# Altium PCB Annotated_PCB.PcbDoc (part 4 of 4)
Units mil, origin at the board's own origin, x right, y up, seen from the top; angles counter-clockwise.
Board outline 5551.18 x 866.13 mil, 4 copper layers (Top Layer, Mid-Layer 1, Mid-Layer 2, Bottom Layer); 219 components, 0 nets, 672 pads, 868 vias.
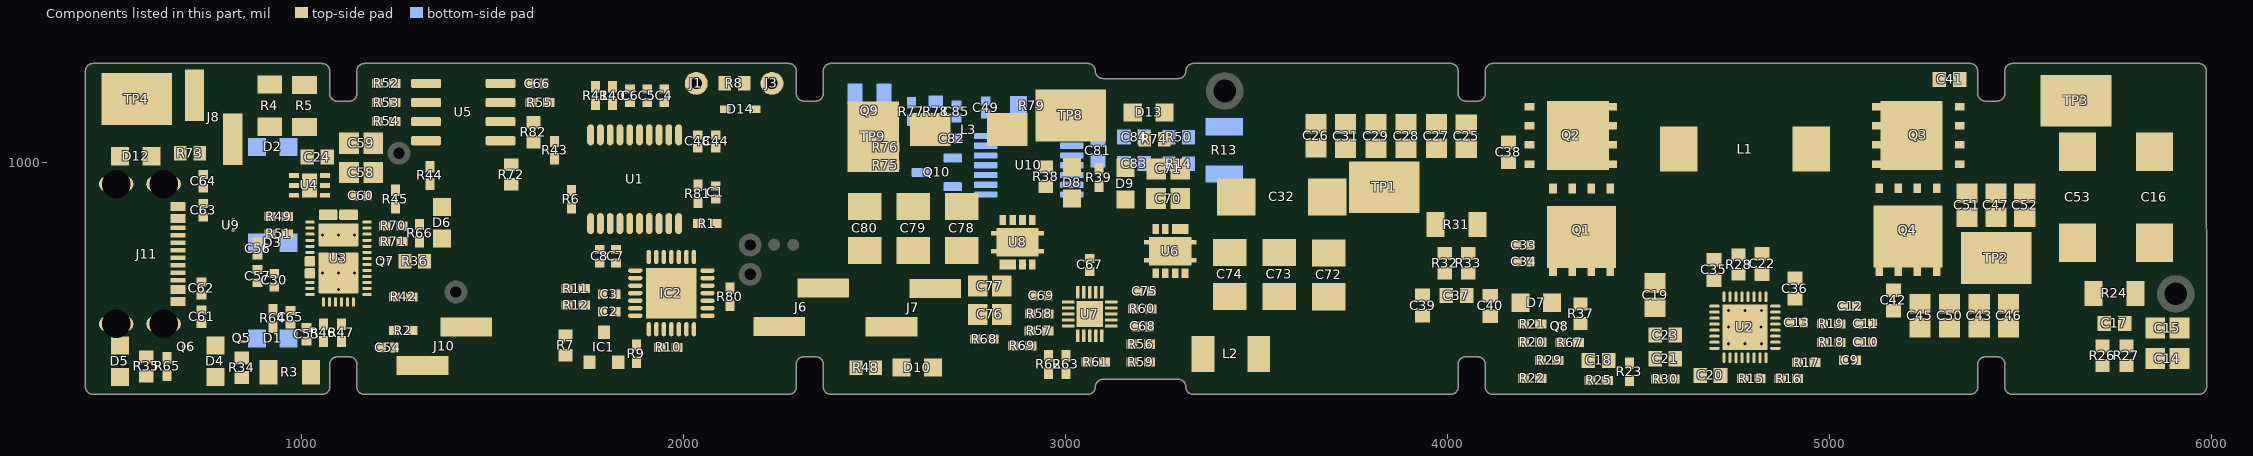
[diagram p6: the components of this part, seen from the top]

## Keep-outs (continued)
Keep-Out Layer:
  lines w19.68: 435.42,413.71 ccw(c455.11,413.71) 455.11,394.02 1055.11,394.02 ccw(c1055.11,413.71) 1074.8,413.71 1074.79,472.76 cw(c1094.48,472.76) 1094.48,492.45 1125.97,492.45 cw(c1125.97,472.76) 1145.66,472.76 ; 435.46,413.75 435.46,1240.43 cw(c455.11,1240.43) 455.11,1260.08 1055.11,1260.08 ; 1055.11,1259.83 cw(c1055.11,1240.15) 1074.79,1240.15 1074.79,1181.46 ; 1074.79,1181.09 ccw(c1094.48,1181.09) 1094.48,1161.41 1125.97,1161.41 ccw(c1125.97,1181.09) 1145.66,1181.09 1145.66,1240.15 cw(c1165.34,1240.15) 1165.34,1259.83 ; 1145.66,472.39 1145.66,413.71 ccw(c1165.34,413.71) 1165.34,394.02 2276.07,394.02 ccw(c2276.07,413.71) 2295.76,413.71 2295.75,472.76 cw(c2315.44,472.76) 2315.44,492.45 2346.94,492.45 cw(c2346.93,472.76) 2366.62,472.76 2366.62,413.71 ccw(c2386.3,413.71) 2386.3,394.02 3058.75,394.02 ; 1165.34,1260.12 2276.07,1260.12 cw(c2276.07,1240.44) 2295.76,1240.44 2295.75,1181.75 ; 2295.76,1181.38 ccw(c2315.44,1181.38) 2315.44,1161.7 2346.94,1161.7 ccw(c2346.94,1181.38) 2366.62,1181.38 2366.62,1240.44 cw(c2386.3,1240.44) 2386.3,1260.12 3058.78,1260.12 cw(c3058.78,1240.44) 3078.46,1240.44 ccw(c3098.15,1240.44) 3098.15,1220.75 3295.62,1220.75 ccw(c3295.62,1240.44) 3315.3,1240.44 cw(c3334.99,1240.44) 3334.99,1260.12 4008.32,1260.12 cw(c4008.32,1240.48) 4027.96,1240.48 ; 3058.78,393.99 ccw(c3058.78,413.68) 3078.46,413.68 cw(c3098.15,413.68) 3098.15,433.36 3295.62,433.36 cw(c3295.62,413.68) 3315.3,413.68 ccw(c3334.99,413.68) 3334.99,393.99 4008.32,393.99 ccw(c4008.32,413.71) 4028.01,413.71 4028,472.76 cw(c4047.69,472.76) 4047.69,492.45 4079.19,492.45 cw(c4079.19,472.76) 4098.87,472.76 4098.87,413.71 ccw(c4118.56,413.71) 4118.56,394.02 5368.1,394.02 ccw(c5368.1,413.71) 5387.78,413.71 5387.78,472.76 cw(c5407.46,472.76) 5407.46,492.45 5438.96,492.45 cw(c5438.96,472.76) 5458.65,472.76 5458.65,413.71 ccw(c5478.33,413.71) 5478.33,394.02 5966.92,394.02 ccw(c5966.92,413.71) 5986.6,413.71 5986.17,1240.44 ccw(c5966.53,1240.44) 5966.53,1260.08 5478.33,1260.08 ; 4028,1240.48 4028,1181.42 ccw(c4047.65,1181.42) 4047.65,1161.78 ; 4047.69,1161.74 4079.19,1161.74 ; 4079.19,1161.78 ccw(c4079.19,1181.42) 4098.83,1181.42 4098.87,1240.48 ; 4098.91,1240.44 cw(c4118.56,1240.44) 4118.56,1260.08 5368.1,1260.08 cw(c5368.1,1240.44) 5387.74,1240.44 ; 5387.78,1240.44 5387.78,1181.38 ccw(c5407.43,1181.38) 5407.43,1161.74 ; 5407.47,1161.7 5438.96,1161.7 ; 5438.96,1161.74 ccw(c5438.96,1181.38) 5458.61,1181.38 ; 5458.65,1181.38 5458.65,1240.44 ; 5458.69,1240.4 cw(c5478.33,1240.4) 5478.33,1260.04

## Silkscreen, mask and mechanical layers (free items; w line width, h text height)
Top Overlay:
  drawing of 16 lines, arcs and shapes, not listed
  text "IO11" at 1419.54,828.67 h15
  text "IO7" at 480.99,447.38 h15 r90
  text "IO6" at 729.41,445.99 h15 r90
  text "espresso Charge v1" at 3568.63,431.09 h15
Bottom Solder:
  rectangle: 4295.86,998.23 4768.99,1154.84
  rectangle: 4789.33,998.09 5251.99,1154.7
  region: 5961.99,1110.99 5334.3,1110.99 5334.3,954.38 5961.99,954.38
  region: 5703.7,870.99 5102.95,870.99 5102.95,714.38 5703.7,714.38
  region: 4453.99,851.92 4201.39,851.92 4201.39,705.41 4453.99,705.41
  region: 4050.19,1059.37 3629.66,1059.37 3629.66,849.11 4050.19,849.11
  region: 4006.6,1239.03 3614.99,1239.03 3614.99,1082.42 4006.6,1082.42